# Altium PCB MB1849_LP.PcbDoc (part 2 of 2)
Units mm, origin at the board's own origin, x right, y up, seen from the top; angles counter-clockwise.
Board outline 61.52 x 35 mm, 4 copper layers (Top Layer, MidLayer 1, MidLayer 2, Bottom Layer), stack 1.066 mm thick; 67 components, 66 nets, 252 pads, 1012 vias.
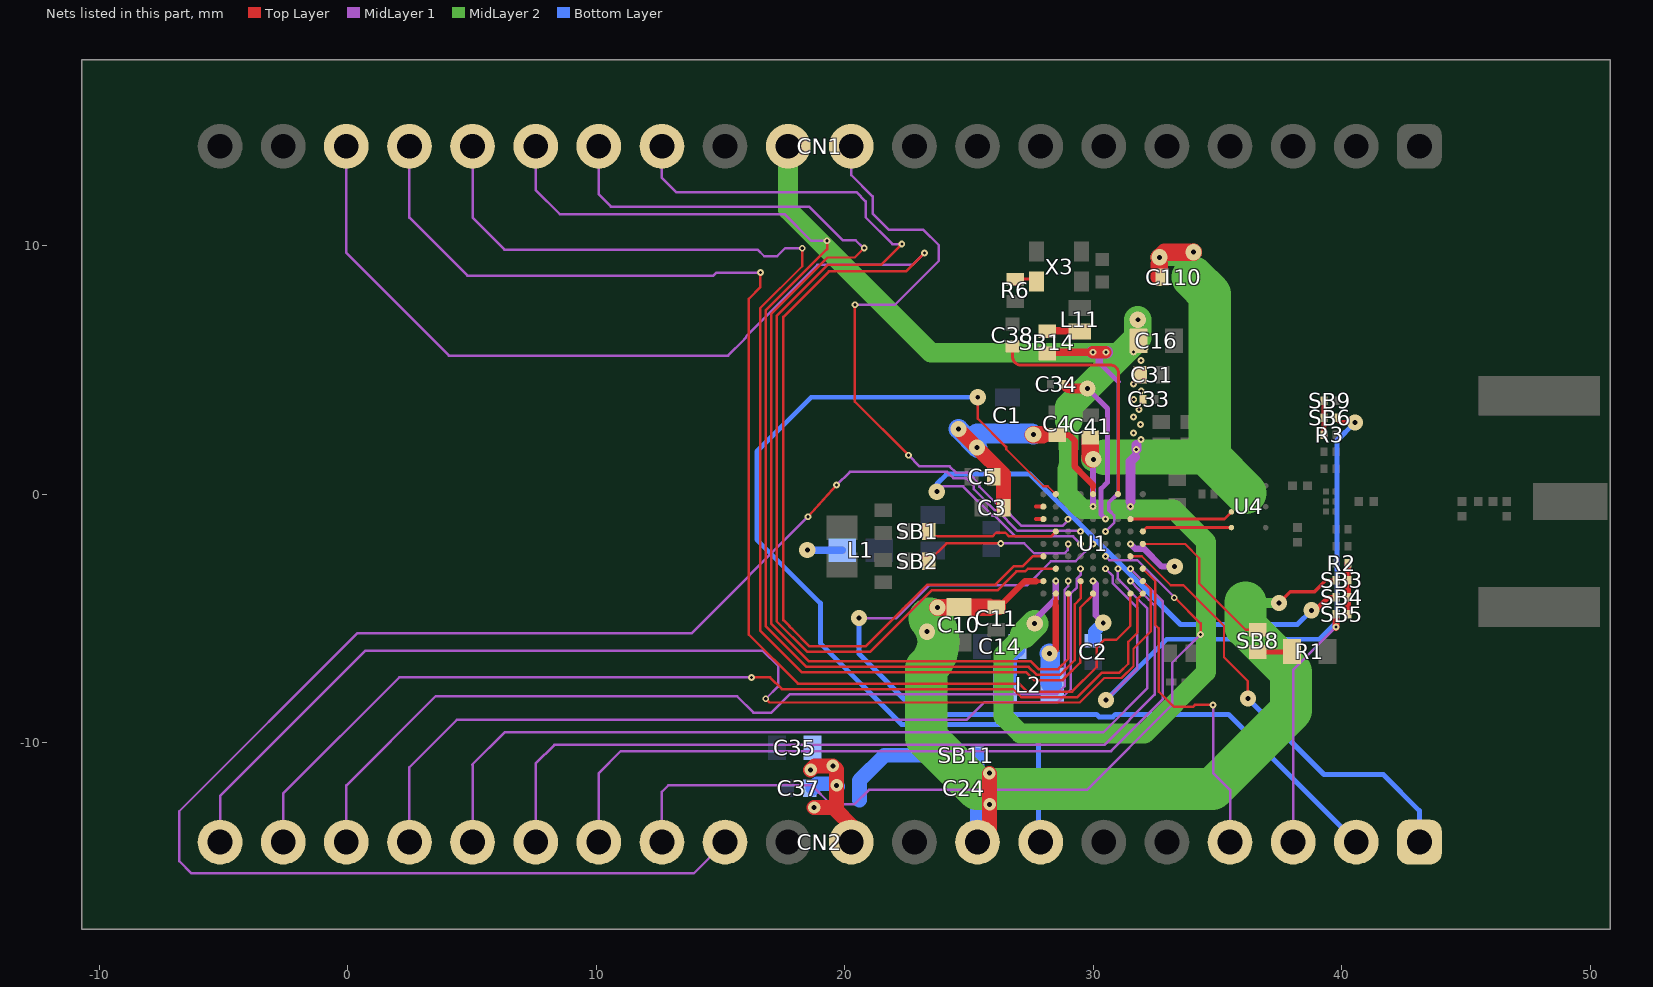
[diagram p4: the nets of this part, all layers, seen from the top]

## Via types
v1: diameter 0.5, hole 0.2, Top Layer to Bottom Layer, 426 vias
v2: diameter 0.65, hole 0.2, Top Layer to Bottom Layer, 349 vias
v3: diameter 0.275, hole 0.125, Top Layer to MidLayer 1, 237 vias

## Nets (pads, with @x,y where several pads share a name; then routed paths per layer and width w, separated by ;. In a path a pad name is that pad's centre, name@x,y a point inside that pad or via, vN(x,y) a via of type N, cw(c..) or ccw(c..) an arc to the next point about the centre after c; other vN are vias at no path point) (continued)
NetCN1_10: CN1.10 U1.C7 | length 25.8
  Top Layer w0.1: v3(20.418,7.624) 20.418,3.718 v3(22.567,1.569) ; U1.C7@28.987,-1.013 28.993,-1.013 v3(28.997,-1.009) U1.C7@29,-1.006
  MidLayer 1 w0.09: v3@28.997,-1.054 v3(28.997,-1.009)
  MidLayer 1 w0.1: CN1.10@20.27,14 20.27,12.84 21.129,11.981 21.129,11.294 21.773,10.65 23.158,10.65 23.788,10.02 23.788,9.384 22.028,7.624 v3(20.418,7.624) ; v3(22.567,1.569) 23.016,1.12 24.228,1.12 24.477,0.87 24.969,0.87 25.42,0.419 25.42,0.302 26.142,-0.42 26.27,-0.42 27.125,-1.275 28.383,-1.275 28.385,-1.278 28.615,-1.278 28.617,-1.275 28.776,-1.275 v3@28.997,-1.054
NetCN1_13: CN1.13 U1.B3 | length 44.1
  Top Layer w0.1: v3(22.303,10.066) 21.462,9.225 19.32,9.225 17.262,7.167 17.262,-5.112 18.5,-6.35 21.023,-6.35 23.505,-3.868 26.154,-3.868 26.912,-3.111 27.266,-3.111 27.377,-3 U1.B3@28.5,-3
  MidLayer 1 w0.1: CN1.13@12.65,14 12.65,12.73 13.223,12.157 20.474,12.157 20.846,11.785 20.846,11.144 21.924,10.066 v3(22.303,10.066)
NetCN1_14: CN1.14 U1.C1 | length 46.3
  Top Layer w0.1: v3@20.79,9.905 20.409,9.524 19.308,9.524 17.042,7.258 17.042,-5.203 18.568,-6.729 27.499,-6.729 27.809,-7.039 28.593,-7.039 29,-6.632 U1.C1@29,-4
  MidLayer 1 w0.1: CN1.14@10.11,14 10.11,12.059 10.595,11.574 18.571,11.574 19.931,10.214 20.45,10.214 20.756,9.908 v3(20.792,9.908)
NetCN1_15: CN1.15 U1.D2 | length 47.6
  Top Layer w0.1: v3@19.297,10.164 19.297,9.864 16.822,7.389 16.822,-5.303 18.468,-6.949 27.408,-6.949 27.718,-7.259 28.684,-7.259 29.264,-6.68 29.264,-4.431 29.5,-4.195 U1.D2@29.5,-3.5
  MidLayer 1 w0.1: CN1.15@7.57,14 7.57,12.236 8.538,11.268 17.584,11.268 18.655,10.197 v3(19.289,10.197)
NetCN1_16: CN1.16 U1.E1 | length 49.9
  Top Layer w0.1: v3(18.295,9.897) 18.295,9.173 16.602,7.48 16.602,-5.483 18.288,-7.169 27.317,-7.169 27.627,-7.479 28.775,-7.479 29.158,-7.096 29.162,-7.096 29.484,-6.775 29.484,-4.566 U1.E1@30,-4.05
  MidLayer 1 w0.1: CN1.16@5.03,14 5.03,11.13 6.315,9.845 16.5,9.845 16.769,9.576 17.286,9.576 17.608,9.897 v3(18.295,9.897)
NetCN1_17: CN1.17 U1.H1 | length 51.9
  Top Layer w0.1: v3@16.616,8.911 16.616,8.33 16.144,7.859 16.144,-5.648 18.123,-7.626 27.012,-7.626 27.334,-7.948 29.157,-7.948 30.14,-6.965 30.14,-6.165 30.444,-5.861 30.933,-5.861 31.5,-5.294 U1.H1@31.5,-4
  MidLayer 1 w0.1: CN1.17@2.49,14 2.49,12.012 2.49,11.129 4.822,8.797 14.725,8.797 14.842,8.914 v3(16.614,8.914)
NetCN1_18: CN1.18 U1.A4 | length 62.3
  Top Layer w0.1: v3(23.221,9.708) 22.475,8.962 19.368,8.962 17.541,7.134 17.541,-5.067 17.778,-5.305 ccw(c18.275,-4.925) 17.895,-5.422 18.596,-6.122 20.84,-6.122 22.35,-4.613 ccw(c22.103,-4.252) 22.464,-4.498 23.327,-3.635 26.076,-3.635 26.82,-2.891 27.175,-2.891 27.565,-2.5 U1.A4@28,-2.5
  MidLayer 1 w0.1: CN1.18@-0.05,14 -0.05,9.709 4.08,5.579 10.531,5.579 15.314,5.579 15.968,6.233 ccw(c15.658,6.542) 16.067,6.386 18.906,9.225 22.737,9.225 v3(23.221,9.708)
NetCN2_1: CN2.1 U1.H4 | length 18.3
  Top Layer w0.09: U1.H4@31.5,-2.5 31.963,-2.5 33.124,-3.661 33.636,-3.661 35.269,-5.294 35.269,-6.562 36.227,-7.52 v2(36.227,-8.22)
  Bottom Layer w0.2: v2(36.227,-8.22) 39.289,-11.282 41.677,-11.282 43.13,-12.735 CN2.1@43.13,-14
NetCN2_2: CN2.2 U1.E5 | length 35.6
  MidLayer 1 w0.1: v2(20.578,-4.985) 22.082,-4.985 23.4,-3.667 27.333,-3.667 28.3,-2.7 29.3,-2.7 v3(30,-2)
  Bottom Layer w0.2: v2(20.578,-4.985) 20.578,-6.423 23.017,-8.863 30.137,-8.863 30.235,-8.96 30.794,-8.96 30.892,-8.863 35.453,-8.863 CN2.2@40.798,-14.208
NetCN2_3: CN2.3 SB5.1 | length 9.7
  Top Layer w0.3: v3(39.774,-5.346) SB5.1@39.774,-4.974
  MidLayer 1 w0.1: CN2.3@38.05,-14 38.05,-7.07 v3(39.774,-5.346)
NetCN2_4: CN2.4 U1.J3 | length 13.5
  Top Layer w0.1: U1.J3@32,-3 32.5,-3.5 32.5,-3.738 ; 32.501,-3.739 32.501,-5.258 32.642,-5.399 32.642,-7.946 33.241,-8.545 34.034,-8.545 34.098,-8.482 v3(34.828,-8.482)
  MidLayer 1 w0.1: v3(34.828,-8.482) 34.828,-11.221 35.51,-11.903 CN2.4@35.51,-14
NetCN2_7: CN2.7 U1.B9 | length 38.4
  Top Layer w0.09: 26.501,1.901 26.506,1.901 26.506,1.807 27.671,0.642 27.993,0.32 28.18,0.32 U1.B9@28.5,0
  Top Layer w0.1: v2(25.359,3.901) 25.359,3.044 26.501,1.901
  Bottom Layer w0.2: v2(25.359,3.901) 23.241,3.901 18.652,3.901 16.468,1.716 16.468,-1.83 19.025,-4.387 19.025,-5.997 22.295,-9.267 27.068,-9.267 27.803,-10.002 27.803,-13.913 CN2.7@27.89,-14
NetCN2_12: CN2.12 U1.D6 | length 67.7
  Top Layer w0.1: v3(18.529,-0.906) v3(19.681,0.365)
  MidLayer 1 w0.1: CN2.12@15.19,-14 13.931,-15.259 -6.275,-15.259 -6.771,-14.763 -6.771,-12.758 0.383,-5.604 13.832,-5.604 v3(18.529,-0.906) ; v3(19.681,0.365) 20.216,0.9 24.127,0.9 24.377,0.65 24.878,0.65 25.2,0.328 25.2,0.197 26.037,-0.64 26.126,-0.64 26.961,-1.475 29.475,-1.475 v3(29.5,-1.5)
NetCN2_13: CN2.13 U1.F4 | length 33.3
  Top Layer w0.1: v3(33.265,-4.168) 33.294,-4.168 34.323,-5.197 v3(34.323,-5.64)
  MidLayer 1 w0.1: CN2.13@12.65,-14 12.65,-11.973 12.905,-11.718 18.684,-11.718 19.442,-12.476 20.397,-12.476 20.978,-11.896 29.753,-11.896 33.186,-8.463 33.186,-6.777 v3(34.323,-5.64) ; v3(30.5,-2.5) 30.65,-2.65 31.776,-2.65 33.265,-4.139 v3(33.265,-4.168)
NetCN2_14: CN2.14 U1.H3 | length 32.5
  MidLayer 1 w0.1: CN2.14@10.11,-14 10.11,-11.221 10.991,-10.339 30.724,-10.339 32.801,-8.262 32.801,-4.301 v3(31.5,-3)
NetCN2_15: CN2.15 U1.H2 | length 34.2
  MidLayer 1 w0.1: CN2.15@7.57,-14 7.57,-10.841 8.322,-10.09 30.456,-10.09 32.479,-8.067 32.479,-4.479 32.247,-4.247 31.853,-3.853 v3(31.5,-3.5)
NetCN2_16: CN2.16 U1.G3 | length 36.9
  MidLayer 1 w0.1: CN2.16@5.03,-14 5.03,-10.906 5.013,-10.889 6.317,-9.585 30.408,-9.585 32.186,-7.807 32.186,-4.598 31.835,-4.247 31,-3.412 v3(31,-3)
NetCN2_17: CN2.17 U1.D3 | length 35.9
  MidLayer 1 w0.1: CN2.17@2.49,-14 2.49,-10.988 4.393,-9.086 15.616,-9.086 24.905,-9.086 25.623,-8.368 28.582,-8.368 29.1,-7.85 29.1,-4 29.35,-3.75 29.35,-3.4 29.5,-3.25 v3(29.5,-3)
NetCN2_18: CN2.18 U1.C2 | length 37.7
  MidLayer 1 w0.1: CN2.18@-0.05,-14 -0.05,-11.72 3.54,-8.131 15.671,-8.131 16.33,-8.79 17.059,-8.79 17.791,-8.058 28.522,-8.058 28.85,-7.73 28.85,-3.85 29,-3.7 v3(29,-3.5)
NetCN2_19: CN2.19 U1.J1 | length 41.8
  Top Layer w0.1: v3(16.253,-7.373) 17.006,-7.373 17.48,-7.846 26.788,-7.846 27.11,-8.168 29.369,-8.168 30.356,-7.181 31.057,-7.181 31.416,-6.822 31.416,-5.942 31.784,-5.574 31.784,-4.216 U1.J1@32,-4
  MidLayer 1 w0.1: CN2.19@-2.59,-14 -2.59,-12.042 2.08,-7.373 v3(16.253,-7.373)
NetCN2_20: CN2.20 U1.J2 | length 47.8
  Top Layer w0.09: v3(16.828,-8.234) 16.977,-8.383 29.458,-8.383 30.367,-7.475 30.369,-7.475 30.447,-7.396 31.146,-7.396 31.631,-6.911 31.631,-6.212 32.316,-5.527 32.316,-3.816 U1.J2@32,-3.5
  MidLayer 1 w0.1: CN2.20@-5.13,-14 -5.13,-12.144 0.706,-6.308 16.723,-6.308 17.34,-6.925 17.34,-7.721 v3(16.828,-8.234) v3@16.818,-8.224
NetL2_2: L2.2 U1.B1 | length 3.9
  Top Layer w0.15: 28.5,-4.3 U1.B1@28.5,-4
  Top Layer w0.21: 28.5,-4.475 28.5,-4.3
  Top Layer w0.25: v2(28.25,-6.406) 28.375,-6.406 28.5,-6.281 28.5,-4.475
  Bottom Layer w0.8: v2(28.25,-6.406) 28.274,-6.43 28.274,-7.588 L2.2@28.354,-7.668
NetL11_2: L11.2 SB14.1 | length 1.9
  Top Layer w0.2: SB14.1@28.25,6.467 SB14.1@28.157,6.56 28.169,6.571 SB14.1@28.265,6.667 ; L11.2@29.238,6.319 L11.2@29.463,6.544
  Top Layer w0.3: SB14.1@28.157,6.571 28.169,6.571 L11.2@29.463,6.571
NetR1_2: R1.2 SB8.1 | length 1.4
  Top Layer w0.2: SB8.1@36.624,-6.351 37.999,-6.351 R1.2@38.012,-6.337
NetR2_2: R2.2 SB3.2 SB4.2 SB5.2 | length 2.1
  Top Layer w0.25: SB5.2@40.251,-4.834 SB4.2@40.251,-4.15 SB3.2@40.251,-3.465 R2.2@40.251,-2.781
NetR3_2: R3.2 SB6.2 SB9.2 | length 1.4
  Top Layer w0.2: R3.2@39.289,2.397 SB6.2@39.289,3.081 SB9.2@39.289,3.765
NetR6_1: R6.1 X3.3 | length 0.7
  Top Layer w0.12: R6.1@26.871,8.649 X3.3@27.599,8.649
  Top Layer w0.5: R6.1@26.866,8.654 R6.1@26.871,8.649
NetSB1_1: SB1.1 U1.B6 | length 5.2
  Top Layer w0.1: SB1.1@23.55,-1.669 23.577,-1.695 25.954,-1.695 26.104,-1.545 26.466,-1.545 26.616,-1.695 28.305,-1.695 U1.B6@28.5,-1.5
NetSB2_1: SB2.1 U1.C5 | length 6.4
  Top Layer w0.1: SB2.1@23.381,-2.7 24.1,-1.981 26.283,-1.981 v3(26.285,-1.983)
  MidLayer 1 w0.1: v3(26.285,-1.983) 27.229,-1.983 27.631,-2.385 28.847,-2.385 28.975,-2.256 28.975,-2.025 v3(29,-2)
NetSB4_1: SB4.1 U1.D5 | length 26.3
  Top Layer w0.2: v2@38.784,-4.682 38.942,-4.682 39.474,-4.15 SB4.1@39.771,-4.15
  MidLayer 1 w0.1: v2(23.711,0.1) 23.927,0.317 24.77,0.317 25.946,-0.86 26.035,-0.86 26.87,-1.695 27.044,-1.695 27.048,-1.699 29.199,-1.699 v3(29.5,-2)
  Bottom Layer w0.2: v2(23.711,0.1) 23.711,0.412 24.108,0.809 27.462,0.809 33.516,-5.245 38.221,-5.245 v2(38.793,-4.673)
NetSB6_1: SB6.1 U1.F3 | length 26.1
  Top Layer w0.2: SB6.1@39.769,3.081 39.969,2.881 v2(40.536,2.881)
  MidLayer 1 w0.1: v3(30.5,-3) 30.797,-3.297 30.797,-3.59 31.784,-4.576 31.784,-7.016 v2(30.515,-8.285)
  Bottom Layer w0.2: v2(30.515,-8.285) 32.963,-5.837 39.103,-5.837 39.814,-5.127 39.814,2.159 v2(40.536,2.881)
NetSB8_2: SB8.2 U1.J5 | length 6.8
  Top Layer w0.09: U1.J5@32,-2 32.3,-2 33.699,-2 34.273,-2.574 34.273,-3.594 36.129,-5.451 SB8.2@36.624,-5.451 SB8.2@36.624,-5.35
OSC_IN: C38.2 U1.G9 | length 9.9
  Top Layer w0.12: C38.2@26.751,5.949 26.751,5.562 ccw(c27.129,5.562) 27.021,5.199 30.694,5.199 cw(c30.694,4.867) 31.026,4.867 31.026,0.026 U1.G9@31,0
PB0_VDD_TCXO: SB14.2 U1.F6 | length 10.7
  Top Layer w0.3: SB14.2@28.306,5.711 v3(29.991,5.711)
  Top Layer w0.4: SB14.2@28.121,5.659 28.14,5.677 SB14.2@28.157,5.66
  Top Layer w0.5: v3@29.991,5.704 v3@30.495,5.704
  MidLayer 1 w0.1: v3(30.5,-1.5) 30.844,-1.156 30.844,-0.85 30.722,-0.728
  MidLayer 1 w0.15: 30.722,-0.728 30.632,-0.638 30.632,-0.34 31.017,0.046 31.017,4.525
  MidLayer 1 w0.2: 30.253,5.289 31.017,4.525
  MidLayer 1 w0.3: 30.253,5.289 30.253,5.705
  MidLayer 1 w0.5: v3@29.965,5.705 30.253,5.705 v3@30.541,5.705
  other v3: 30.522,5.711
RFI_N: U1.H7 U4.3 | length 4.2
  Top Layer w0.105: U1.H7@31.5,-1 35.279,-1 U4.3@35.567,-0.712
RFI_P: U1.J6 U4.2 | length 3.6
  Top Layer w0.105: U1.J6@32,-1.5 32.158,-1.342 32.622,-1.342 U4.2@35.565,-1.342
VDD: C1.2 C2.2 C3.2 C4.2 C5.2 C35.1 C37.1 CN2.10 L1.1 SB11.2 U1.A7 U1.A8 U1.E2 U1.E9 U1.H5 | length 29.9
  Top Layer w0.15: 27.7,-1 U1.A7@28,-1 ; 27.7,-0.5 U1.A8@28,-0.5 ; U1.E9@30,0 30,0.3
  Top Layer w0.25: C4.2@28.559,2.384 29.016,2.384 29.258,2.142 29.258,1.115 29.46,0.913 29.46,0.899 30,0.359 30,0.3
  Top Layer w0.5: v2(27.593,2.397) v2@27.6,2.391
  Top Layer w0.55: 27.982,2.391 C4.2@28.553,2.391
  Top Layer w0.6: v1(18.635,-11.095) 18.799,-10.93 v1(19.527,-10.93) 19.677,-11.08 v1(19.677,-11.718) 19.677,-12.73 ; v1(18.772,-12.608) 19.554,-12.608 19.677,-12.73 ; CN2.10@20.6,-14 CN2.10@20.27,-14 20.27,-13.323 19.677,-12.73 ; v2(24.579,2.628) 24.579,2.623 v2(25.328,1.874) 26.4,0.802 C3.2@26.4,-0.55
  Top Layer w0.7: v2@27.595,2.389 27.982,2.389
  MidLayer 1 w0.25: v3(30,-3.5) 30.109,-3.609 30.109,-4.875 v2(30.409,-5.175) ; v3(31.5,-2) 31.695,-2.195 32.048,-2.195 32.769,-2.916 v2(33.285,-2.916)
  Bottom Layer w0.25: C2.2@30,-5.9 C2.2@30.054,-5.846
  Bottom Layer w0.3: v2(18.5,-2.25) L1.1@19.9,-2.25
  Bottom Layer w0.5: C2.2@30.054,-5.846 30.054,-5.529 v2(30.409,-5.175)
  Bottom Layer w0.6: C37.1@18.726,-11.83 18.905,-11.651 19.609,-11.651 v1(19.677,-11.718) v1@19.713,-11.755 ; 20.6,-12.309 20.6,-11.516 21.611,-10.505 SB11.2@24.17,-10.505
  Bottom Layer w0.8: v2(24.579,2.628) v2@25.357,1.851 ; 25.328,2.446 27.545,2.446 v2(27.593,2.397)
VDDPA: C14.1 C16.1 C31.1 C33.2 C34.2 CN1.11 L2.1 U1.B2 U1.F7 U1.H8 | length 65.9
  Top Layer w0.25: v2@27.573,-5.287 v2(27.65,-5.21)
  Top Layer w0.4: C34.2@28.838,4.388 28.881,4.345 ccw(c29.089,4.553) 29.089,4.259 v2(29.769,4.259) v2@29.769,4.191
  MidLayer 1 w0.2: v2(29.769,4.259) 30.58,3.447 30.58,0.475 30.328,0.222 30.328,-0.828 v3(30.5,-1)
  MidLayer 1 w0.25: v2(27.65,-5.21) 27.65,-5.059 28.5,-4.209 v3(28.5,-3.5)
  MidLayer 1 w0.3: v3(31.5,-0.5) v3@31.5,-0.455
  MidLayer 1 w0.4: 31.5,-0.289 31.5,0.876 31.5,1.319 31.681,1.5 ; v3(31.738,1.801) 31.738,1.976
  MidLayer 2 w0.75: 28.977,1.02 28.977,1.152 29.007,1.182 29.007,1.866
  MidLayer 2 w0.8: CN1.11@17.73,14 17.73,11.438 23.477,5.69 31.2,5.69 ; 27.206,-5.653 26.396,-6.463 26.396,-8.945 27.076,-9.625 32.075,-9.625 34.543,-7.157 34.543,-1.918 33.23,-0.605 29.568,-0.605 28.977,-0.015 28.977,1.02 ; 29.007,1.866 29.007,2.937 29.026,2.956
  MidLayer 2 w1.1: 27.206,-5.653 v2(27.65,-5.21) ; 29.026,2.956 29.026,3.516 v2(29.769,4.259) 31.2,5.69 31.798,6.288 v2(31.798,7.019)
  Bottom Layer w0.25: v2(27.65,-5.21) v2@27.656,-5.216
  Bottom Layer w0.6: L2.1@26.449,-7.668 26.629,-7.488 26.629,-6.584 26.95,-6.262 C14.1@26.95,-6.125 26.95,-5.987 27.64,-5.297 27.64,-5.22 v2(27.65,-5.21)
  other v3: 31.932,2.206 31.63,2.463 31.905,2.805 31.625,3.107 31.846,3.404 31.634,3.814 31.936,4.148 31.625,4.427 31.927,5.382 31.63,5.72 32.086,5.874
VDDRF: C10.1 C11.1 C24.1 C41.1 C110.1 CN2.8 SB3.1 SB11.1 U1.A2 U1.E8 | length 63
  Top Layer w0.15: 27.7,-3.5 U1.A2@28,-3.5 ; v2(37.488,-4.373) 37.938,-3.923 38.905,-3.923 39.363,-3.465 SB3.1@39.771,-3.465
  Top Layer w0.25: C11.1@26.204,-4.552 27.256,-3.5 27.7,-3.5
  Top Layer w0.6: CN2.8@25.35,-14 25.837,-14 v1(25.837,-12.483) v1@25.837,-11.237 ; C11.1@25.816,-4.547 26.2,-4.547 C11.1@26.204,-4.552
  Top Layer w0.7: v2(23.744,-4.559) 24.687,-4.559 24.704,-4.542 25.811,-4.542 C11.1@25.816,-4.547 ; C41.1@29.885,2.15 29.885,1.478 v2@29.958,1.405 ; C110.1@32.659,8.726 v2@32.659,9.245 ; v2(32.67,9.531) 32.875,9.737 v2(34.041,9.737)
  MidLayer 1 w0.25: v2@29.958,1.405 30,1.363 v3(30,-0.5)
  MidLayer 2 w0.4: 36.138,-4.359 36.152,-4.373 v2(37.488,-4.373)
  MidLayer 2 w0.7: v2(32.67,9.531) 33.462,9.531 ; v2@33.835,9.531 v2(34.041,9.737)
  MidLayer 2 w1: v2@30.022,1.405 v2@30.022,1.418
  MidLayer 2 w1.4: 30.456,1.479 30.471,1.494 34.695,1.494
  MidLayer 2 w1.7: 23.432,-5.007 cw(c22.349,-5.934) 23.288,-7.006 23.288,-9.804 25.35,-11.866 25.827,-11.866 ; 25.837,-11.866 34.796,-11.866 37.965,-8.697 37.965,-7.16 36.138,-5.333 36.138,-4.359 ; 34.014,8.726 34.695,8.045 34.695,1.494 36.138,0.051
  Bottom Layer w0.6: C24.1@25.339,-11.8 SB11.1@25.339,-10.504 ; CN2.8@25.35,-14 C24.1@25.35,-11.849
  Bottom Layer w0.7: v2(23.312,-5.533) v2(23.744,-4.559)
  other v1: 25.827,-11.227
  other v2: 30.008,1.405
pads on no net: U1.B4 U1.C4 U1.C6 U1.D4 U1.D7 U1.E4 U1.F2 U1.F8 U1.G2 U1.G4 U1.J9
copper on no net: | length 2639.6
  Top Layer w0.025: 152.548,-17.471 155.08,-14.939 158.128,-11.891 161.176,-8.843 164.224,-5.795 167.272,-2.747 170.32,0.301 173.368,3.349 176.416,6.397 179.464,9.445 180.988,10.969 ; 152.548,-15.947 153.556,-14.939 156.604,-11.891 159.652,-8.843 162.7,-5.795 165.748,-2.747 168.796,0.301 171.844,3.349 174.892,6.397 177.94,9.445 180.988,12.493 ; 152.548,-14.423 155.08,-11.891 158.128,-8.843 161.176,-5.795 164.224,-2.747 167.272,0.301 170.32,3.349 173.368,6.397 176.416,9.445 179.464,12.493 180.988,14.017 ; 152.548,-12.899 153.556,-11.891 156.604,-8.843 159.652,-5.795 162.7,-2.747 165.748,0.301 168.796,3.349 171.844,6.397 174.892,9.445 177.94,12.493 180.988,15.541 ; 152.548,-11.375 155.08,-8.843 158.128,-5.795 161.176,-2.747 164.224,0.301 167.272,3.349 170.32,6.397 173.368,9.445 176.416,12.493 179.464,15.541 ; 152.548,-9.851 153.556,-8.843 156.604,-5.795 159.652,-2.747 162.7,0.301 165.748,3.349 168.796,6.397 171.844,9.445 174.892,12.493 177.94,15.541 ; 152.548,-8.327 155.08,-5.795 158.128,-2.747 161.176,0.301 164.224,3.349 167.272,6.397 170.32,9.445 173.368,12.493 176.416,15.541 ; 152.548,-6.803 153.556,-5.795 156.604,-2.747 159.652,0.301 162.7,3.349 165.748,6.397 168.796,9.445 171.844,12.493 174.892,15.541 ; 152.548,-5.279 155.08,-2.747 158.128,0.301 161.176,3.349 164.224,6.397 167.272,9.445 170.32,12.493 173.368,15.541 ; 152.548,-3.755 153.556,-2.747 156.604,0.301 159.652,3.349 162.7,6.397 165.748,9.445 168.796,12.493 171.844,15.541 ; 152.548,-2.231 155.08,0.301 158.128,3.349 161.176,6.397 164.224,9.445 167.272,12.493 170.32,15.541 ; 152.548,-0.707 153.556,0.301 156.604,3.349 159.652,6.397 162.7,9.445 165.748,12.493 168.796,15.541 ; 152.548,0.817 155.08,3.349 158.128,6.397 161.176,9.445 164.224,12.493 167.272,15.541 ; 152.548,2.341 153.556,3.349 156.604,6.397 159.652,9.445 162.7,12.493 165.748,15.541 ; 152.548,3.865 155.08,6.397 158.128,9.445 161.176,12.493 164.224,15.541 ; 152.548,5.389 153.556,6.397 156.604,9.445 159.652,12.493 162.7,15.541 ; 152.548,6.913 155.08,9.445 158.128,12.493 161.176,15.541 ; 152.548,8.437 153.556,9.445 156.604,12.493 159.652,15.541 ; 152.548,9.961 155.08,12.493 158.128,15.541 ; 152.548,11.485 153.556,12.493 156.604,15.541 ; 152.548,13.009 155.08,15.541 ; 152.548,14.533 153.556,15.541 ; 153.556,-17.987 156.604,-14.939 159.652,-11.891 162.7,-8.843 165.748,-5.795 168.796,-2.747 171.844,0.301 174.892,3.349 177.94,6.397 180.988,9.445 ; 155.08,-17.987 158.128,-14.939 161.176,-11.891 164.224,-8.843 167.272,-5.795 170.32,-2.747 173.368,0.301 176.416,3.349 179.464,6.397 180.988,7.921 ; 156.604,-17.987 159.652,-14.939 162.7,-11.891 165.748,-8.843 168.796,-5.795 171.844,-2.747 174.892,0.301 177.94,3.349 180.988,6.397 ; 158.128,-17.987 161.176,-14.939 164.224,-11.891 167.272,-8.843 170.32,-5.795 173.368,-2.747 176.416,0.301 179.464,3.349 180.988,4.873 ; 159.652,-17.987 162.7,-14.939 165.748,-11.891 168.796,-8.843 171.844,-5.795 174.892,-2.747 177.94,0.301 180.988,3.349 ; 161.176,-17.987 164.224,-14.939 167.272,-11.891 170.32,-8.843 173.368,-5.795 176.416,-2.747 179.464,0.301 180.988,1.825 ; 162.7,-17.987 165.748,-14.939 168.796,-11.891 171.844,-8.843 174.892,-5.795 177.94,-2.747 180.988,0.301 ; 164.224,-17.987 167.272,-14.939 170.32,-11.891 173.368,-8.843 176.416,-5.795 179.464,-2.747 180.988,-1.223 ; 165.748,-17.987 168.796,-14.939 171.844,-11.891 174.892,-8.843 177.94,-5.795 180.988,-2.747 ; 167.272,-17.987 170.32,-14.939 173.368,-11.891 176.416,-8.843 179.464,-5.795 180.988,-4.271 ; 168.796,-17.987 171.844,-14.939 174.892,-11.891 177.94,-8.843 180.988,-5.795 ; 170.32,-17.987 173.368,-14.939 176.416,-11.891 179.464,-8.843 180.988,-7.319 ; 171.844,-17.987 174.892,-14.939 177.94,-11.891 180.988,-8.843 ; 173.368,-17.987 176.416,-14.939 179.464,-11.891 180.988,-10.367 ; 174.892,-17.987 177.94,-14.939 180.988,-11.891 ; 176.416,-17.987 179.464,-14.939 180.988,-13.415 ; 177.94,-17.987 180.988,-14.939 ; 179.464,-17.987 180.988,-16.463
  Top Layer w0.381: 65.703,-14.939 76.114,-14.939 99.73,-14.939 121.568,-14.939 138.074,-14.939 152.548,-14.939 180.988,-14.939 ; 65.703,-11.891 76.114,-11.891 99.73,-11.891 121.568,-11.891 138.074,-11.891 152.548,-11.891 180.988,-11.891 ; 65.703,-8.843 76.114,-8.843 99.73,-8.843 121.568,-8.843 138.074,-8.843 152.548,-8.843 180.988,-8.843 ; 65.703,-5.795 76.114,-5.795 99.73,-5.795 121.568,-5.795 138.074,-5.795 152.548,-5.795 180.988,-5.795 ; 65.703,-2.747 76.114,-2.747 99.73,-2.747 121.568,-2.747 138.074,-2.747 152.548,-2.747 180.988,-2.747 ; 65.703,0.301 76.114,0.301 99.73,0.301 121.568,0.301 138.074,0.301 152.548,0.301 180.988,0.301 ; 65.703,3.349 76.114,3.349 99.73,3.349 121.568,3.349 138.074,3.349 152.548,3.349 180.988,3.349 ; 65.703,6.397 76.114,6.397 99.73,6.397 121.568,6.397 138.074,6.397 152.548,6.397 180.988,6.397 ; 65.703,9.445 76.114,9.445 99.73,9.445 121.568,9.445 138.074,9.445 152.548,9.445 180.988,9.445 ; 65.703,12.493 76.114,12.493 99.73,12.493 121.568,12.493 138.074,12.493 152.548,12.493 180.988,12.493 ; 65.703,15.541 180.988,15.541 ; 76.114,18.589 76.114,-17.987 ; 99.73,18.589 99.73,-17.987 ; 121.568,18.589 121.568,-17.987 ; 138.074,18.589 138.074,-17.987 ; 152.548,18.589 152.548,-17.987 ; 76.114,-17.987 65.703,-17.987 65.703,18.589 180.988,18.589 180.988,-17.987 152.548,-17.987 ; 76.114,-17.987 99.73,-17.987 ; 99.73,-17.987 121.568,-17.987 ; 121.568,-17.987 138.074,-17.987 ; 138.074,-17.987 152.548,-17.987

## Polygon pours and split planes (outlines as drawn)
GND on MidLayer 2 "MIDLAYER_2_GND_P046" (solid, remove dead copper, pour order 46): 50.818,17.432 50.818,-17.511 -10.704,-17.511 -10.704,17.502
VDDRF on MidLayer 2 "VDDRF_L-01_P-001" (solid, pour order 44): 35.298,-4.233 35.298,0.115 36.278,1.095 37.018,0.355 37.018,-4.2
VDD on MidLayer 2 "VDD_L-01_P-001" (solid, pour order 45): 19.558,-15.27 21.095,-15.27 ccw(c21.095,-14.698) 21.667,-14.698 21.667,-4.598 cw(c23.116,-4.598) 23.116,-3.149 25.832,-3.149 cw(c25.833,-5.588) 27.587,-3.894 28.77,-5.118 ccw(c31.082,-2.883) 29.326,-5.577 ccw(c30.487,-3.795) 31.884,-5.399 33.525,-3.969 ccw(c32.238,-2.49) 33.733,-3.758 ccw(c32.976,-3.116) 32.976,-2.123 29.14,-2.123 cw(c29.14,-1.164) 28.18,-1.164 28.18,2.602 ccw(c27.344,2.602) 27.344,3.438 19.624,3.438 ccw(c19.624,0.898) 17.084,0.898 17.084,-11.025 ccw(c18.349,-11.025) 17.622,-12.06 cw(c15.76,-14.712) 19,-14.712 ccw(c19.558,-14.712)
GND on Bottom Layer "BOTTOM_LAYER_GND_P049" (solid, remove dead copper, pour order 49): -10.704,-17.423 -10.704,17.489 50.818,17.489 50.818,-17.494
VDDRF on Bottom Layer "VDDRF_L-01_P-001" (solid, pour order 47): 25.051,-12.874 25.051,-10.83 26.809,-10.83 26.809,-14.663 cw(c25.533,-13.9) 25.465,-15.385 cw(c25.518,-14.227) 24.359,-14.227 24.359,-13.969 cw(c25.329,-13.969) 24.643,-13.282
VDD on Bottom Layer "VDD_L-01_P-001" (solid, pour order 48): 18.351,-9.907 19.293,-9.907 21.667,-12.281 21.667,-13.385 21.667,-13.632 cw(c20.12,-13.632) 21.623,-13.997 cw(c20.27,-13.669) 18.919,-14.003 cw(c20.473,-13.619) 18.872,-13.619 18.872,-13.103 18.35,-12.58
GND on MidLayer 1 "MIDLAYER_1_GND_P054" (solid, remove dead copper, pour order 54): -10.721,17.647 50.828,17.647 50.88,17.699 50.818,17.637 50.818,-17.511 -10.757,-17.511 -10.773,-17.494 -10.721,-17.442 -10.721,17.647
GND on Top Layer "TOP_LAYER_GND_P056" (solid, remove dead copper, pour order 56): -10.651,17.561 50.872,17.561 50.872,-17.39 50.859,-17.403 50.822,-17.439 -10.651,-17.439 -10.651,17.561

## Other copper
Top Layer:
  rectangle net GND: 27.337,9.351 29.759,10.171
  region net VDDPA: 31.394,1.329 cw(c31.386,1.338) 31.378,1.346 31.378,7.277 31.538,7.437 31.99,7.437 32.212,7.216 32.212,2.051 cw(c31.463,2.174) 31.929,1.575 cw(c31.347,2.136)
  region net VDD: 26.182,-0.202 27.203,-0.202 cw(c27.203,-0.905) 27.637,-0.352 cw(c27.535,-0.483) 27.7,-0.483 27.7,-1.049 cw(c27.646,-1.049) 27.646,-1.103 27.263,-1.103 cw(c27.263,-0.973) 27.172,-1.065 27.047,-0.94 ccw(c26.951,-1.035) 26.951,-0.9 26.182,-0.9
  region net GND: 28.232,3.005 27.777,3.005 27.711,3.071 27.711,3.606 27.967,3.862 28.744,3.862 cw(c28.744,3.701) 28.905,3.701 28.905,3.007
  region net NetC27_2: 37.602,-1.162 37.241,-1.162 37.094,-1.192 36.953,-1.251 36.953,-1.42 37.094,-1.482 37.241,-1.512 37.602,-1.512
  region net NetC17_2: 37.637,0.516 37.276,0.516 37.129,0.486 36.988,0.427 36.988,0.258 37.129,0.196 37.276,0.166 37.637,0.166
  region net NetC25_1: 40.673,-0.116 40.52,-0.116 39.769,-0.291 40.52,-0.466 40.673,-0.466
  pour cut-out: 34.389,-0.099 32.199,-0.099 32.199,-0.318 34.388,-0.318
  pour cut-out: 33.864,-0.154 33.864,-1.905 35.875,-1.905 35.875,-0.154
  region net NetC200_2: 33.907,-0.499 33.783,-0.499 33.886,-0.376 33.907,-0.376
  region net NetC27_2: 39.242,-0.566 39.12,-0.691 38.962,-0.996 39.35,-0.957 39.494,-0.816 39.494,-0.796 39.306,-0.566
  pour cut-out: 47.55,2.523 50.818,2.523 50.818,-3.062 47.55,-3.062
  region net NetC28_1: 47.986,0.458 47.589,0.458 46.805,-0.284 47.603,-1.042 47.986,-1.042
  pour cut-out: 19.72,-0.941 21.884,-0.941 21.884,-3.265 19.72,-3.265
  region net GND: 29.443,10.171 31.035,10.171 31.771,9.866 32.004,9.633 32.004,9.293 31.785,9.074 31.209,9.074 31.082,9.202 29.919,9.202 29.45,9.671
  region net GND: 32.528,2.889 32.528,5.304 32.947,5.304 32.947,5.835 35.375,5.835 35.375,3.572 34.206,3.487 34.206,2.889 32.989,2.889
  pour cut-out: 46.889,-0.019 47.564,2.55 47.564,-0.019
  pour cut-out: 46.909,-0.562 47.551,-3.033 47.551,-0.562
  text "Layer" at 67.481,16.303 h1.52
  text "Name" at 77.892,16.303 h1.52
  text "Material" at 101.508,16.303 h1.52
  text "Thickness" at 123.346,16.303 h1.52
  text "Constant" at 139.852,16.303 h1.52
  text "Board Layer Stack" at 154.326,16.303 h1.52
  text "Top Overlay" at 77.892,13.255 h1.52
  text "Top Solder" at 77.892,10.207 h1.52
  text "Solder Resist" at 101.508,10.207 h1.52
  text "0.08mil" at 123.346,10.207 h1.52
  text "3.7" at 139.852,10.207 h1.52
  text "1" at 67.481,7.159 h1.52
  text "Top Layer" at 77.892,7.159 h1.52
  text "1.38mil" at 123.346,7.159 h1.52
  text "Dielectric 1" at 77.892,4.111 h1.52
  text "1 x 2116" at 101.508,4.111 h1.52
  text "4.25mil" at 123.346,4.111 h1.52
  text "3.8" at 139.852,4.111 h1.52
  text "2" at 67.481,1.063 h1.52
  text "MidLayer 1" at 77.892,1.063 h1.52
  text "1.38mil" at 123.346,1.063 h1.52
  text "Dielectric 2" at 77.892,-1.985 h1.52
  text "FR4" at 101.508,-1.985 h1.52
  text "27.95mil" at 123.346,-1.985 h1.52
  text "5" at 139.852,-1.985 h1.52
  text "3" at 67.481,-5.033 h1.52
  text "MidLayer 2" at 77.892,-5.033 h1.52
  text "1.38mil" at 123.346,-5.033 h1.52
  text "Dielectric 3" at 77.892,-8.081 h1.52
  text "1 x 2116" at 101.508,-8.081 h1.52
  text "4.25mil" at 123.346,-8.081 h1.52
  text "3.8" at 139.852,-8.081 h1.52
  text "4" at 67.481,-11.129 h1.52
  text "Bottom Layer" at 77.892,-11.129 h1.52
  text "1.38mil" at 123.346,-11.129 h1.52
  text "Bottom Solder" at 77.892,-14.177 h1.52
  text "Solder Resist" at 101.508,-14.177 h1.52
  text "0.08mil" at 123.346,-14.177 h1.52
  text "3.7" at 139.852,-14.177 h1.52
  text "Bottom Overlay" at 77.892,-17.225 h1.52
  text ".Layer_Name" at -1.249,-37.55 h3
  text ".GTL" at 40.446,-37.55 h3
MidLayer 1:
  region net VDDPA: 31.962,7.35 32.265,7.048 32.265,3.011 cw(c25.637,3.334) 31.297,-0.13 31.297,6.973 31.614,7.35
  region net NetCN1_9: 18.534,-4.76 18.754,-5.34 18.686,-5.409 ccw(c17.021,-8.245) 18.137,-5.151
  region net VDDPA: 27.489,-4.929 27.993,-4.566 28.077,-4.614 ccw(c31.247,-5.488) 27.97,-5.211
  pour cut-out: 46.692,-1.339 47.492,-3.643 47.519,-1.311 47.492,-1.339
  pour cut-out: 46.727,0.716 47.527,3.007 47.554,0.744 47.527,0.716
  pour cut-out: 37.241,-2.328 37.241,-0.353 39.258,-0.353 39.258,-2.327
  pour cut-out: 37.203,-0.648 37.203,1.327 39.253,1.327 39.253,-0.647
  pour cut-out: 40.437,-1.261 40.437,0.714 47.643,0.714 47.643,-1.26
  pour cut-out: 47.532,3.028 50.822,3.028 50.822,-3.643 47.532,-3.643
  text ".Layer_Name" at -1.249,-37.55 h3
  text ".G1" at 40.446,-37.55 h3
MidLayer 2:
  region net VDDRF: 34.743,7.163 33.944,7.163 32.412,8.98 cw(c32.881,9.376) 32.267,9.376 32.267,9.754 cw(c32.672,9.754) 32.672,10.158 34.325,10.158 cw(c34.325,9.74) 34.743,9.74 34.743,7.782
  region net VDDRF: 25.35,-14 27.54,-12.548 25.44,-11.336
  text ".Layer_Name" at -1.249,-37.55 h3
  text ".G2" at 40.446,-37.55 h3
Bottom Layer:
  region net NetCN2_7: 25.341,4.223 25.383,3.583 25.321,3.582 cw(c25.318,4.135) 24.927,3.744 24.767,3.904 24.935,4.071 cw(c25.301,3.704) 25.301,4.223
  region net VDD: 21.855,-10.349 20.146,-11.784 19.556,-11.081
  region net VDD: 21.855,-10.349 20.146,-11.784 20.735,-12.486
  text ".GBL" at 29.243,-37.582 h3
  text ".Layer_Name" at 70.557,-37.582 h3

## Silkscreen, mask and mechanical layers (free items; w line width, h text height)
Top Overlay:
  region: -3.178,6.089 -3.178,-6.887 6.471,-6.887 6.471,6.089
  text "MB1849-LP" at -5.606,5.792 h2.5 r270
  text "Notes:" at 7.126,5.791 h1.2 r270
  text ".Layer_Name" at -1.249,-37.55 h3
  text ".GTO" at 40.446,-37.55 h3
Bottom Overlay:
  text "MB1849-LP" at -4.576,-4.42 h2.5 r270
  text ".GBO" at 29.243,-37.582 h3
  text ".Layer_Name" at 70.557,-37.582 h3
Top Paste:
  text ".Layer_Name" at -1.249,-37.55 h3
  text ".GTP" at 40.446,-37.55 h3
Bottom Paste:
  text ".GBP" at 29.243,-37.582 h3
  text ".Layer_Name" at 70.557,-37.582 h3
Top Solder:
  lines w1.5: 43.203,1.185 43.203,9.519 ; 43.225,-7.823 43.225,-1.707 ; 43.228,-7.775 cw(c41.378,-7.775) 41.378,-9.625 10.853,-9.625 cw(c10.853,-7.775) 9.003,-7.775 9.003,9.725 cw(c10.853,9.725) 10.853,11.575 41.378,11.575 cw(c41.378,9.725) 43.228,9.725
  text ".Layer_Name" at -1.249,-37.55 h3
  text ".GTS" at 40.446,-37.55 h3
Bottom Solder:
  text ".GBS" at 29.243,-37.582 h3
  text ".Layer_Name" at 70.557,-37.582 h3
M1-Board Shape:
  the board outline again, w0.3
M2-Board Dimensions:
  text ".Layer_Name" at -1.249,-37.55 h3
  text ".GM2" at 40.446,-37.55 h3
Top Assembly:
  rectangle: 27.6,-4.427 27.998,-4.05
  rectangle: 35.788,0.398 35.961,0.605
  text ".Layer_Name" at -1.249,-37.55 h3
  text ".GM14" at 40.446,-37.55 h3
Bottom Assembly:
  text ".GM15" at 29.243,-37.582 h3
  text ".Layer_Name" at 70.557,-37.582 h3
Drill Drawing:
  lines w0.2: -9.831,60.915 19.919,60.915 ; -10.831,28.915 133.919,28.915 133.919,64.415 127.669,64.415 -10.831,64.415 -10.831,35.165 -10.831,28.915 ; -10.081,30.165 -7.581,30.165 -7.581,32.665 -10.081,32.665 -10.081,30.165 ; -10.081,39.165 -10.081,41.665 -7.581,41.665 -7.581,39.165 -10.081,39.165 ; 28.419,39.165 30.919,39.165 30.919,41.665 28.419,41.665 28.419,39.165 ; 28.419,42.165 30.919,42.165 30.919,44.665 28.419,44.665 28.419,42.165 ; 28.419,45.165 30.919,45.165 30.919,47.665 28.419,47.665 28.419,45.165 ; 28.419,48.165 30.919,48.165 30.919,50.665 28.419,50.665 28.419,48.165 ; 28.419,51.165 30.919,51.165 30.919,53.665 28.419,53.665 28.419,51.165 ; 44.919,39.165 44.919,41.665 47.419,41.665 47.419,39.165 44.919,39.165 ; 44.919,42.165 44.919,44.665 47.419,44.665 47.419,42.165 44.919,42.165 ; 44.919,45.165 44.919,47.665 47.419,47.665 47.419,45.165 44.919,45.165 ; 44.919,48.165 44.919,50.665 47.419,50.665 47.419,48.165 44.919,48.165 ; 44.919,51.165 44.919,53.665 47.419,53.665 47.419,51.165 44.919,51.165 ; 44.919,57.165 47.419,57.165 47.419,59.665 44.919,59.665 44.919,57.165 ; 53.919,33.165 53.919,35.665 56.419,35.665 56.419,33.165 53.919,33.165 ; 63.169,48.165 65.669,48.165 65.669,50.665 63.169,50.665 63.169,48.165 ; 63.169,51.165 65.669,51.165 65.669,53.665 63.169,53.665 63.169,51.165 ; 63.169,57.165 63.169,59.665 65.669,59.665 65.669,57.165 63.169,57.165 ; 79.169,33.165 81.669,33.165 81.669,35.665 79.169,35.665 79.169,33.165 ; 79.169,42.165 81.669,42.165 81.669,44.665 79.169,44.665 79.169,42.165 ; 79.169,45.165 81.669,45.165 81.669,47.665 79.169,47.665 79.169,45.165 ; 79.169,51.165 81.669,51.165 81.669,53.665 79.169,53.665 79.169,51.165 ; 79.169,57.165 79.169,59.665 81.669,59.665 81.669,57.165 79.169,57.165
  text "PCB SPECIFICATIONS :" at -9.831,61.415 h3
  text "A.   MATERIAL :" at -9.831,57.415 h3
  text "FR-4" at 28.669,57.415 h3
  text "X  TG-170" at 45.169,57.415 h3
  text "TG-150" at 63.419,57.415 h3
  text "TG-140" at 79.419,57.415 h3
  text "B.   MATERIAL FAMILY :" at -9.831,54.415 h3
  text "N/A" at 28.669,54.415 h3
  text "C.   SOLDERMASK COLOR :" at -9.831,51.415 h3
  text "X   GREEN" at 28.669,51.415 h3
  text "BLUE" at 45.169,51.415 h3
  text "RED" at 63.419,51.415 h3
  text "BLACK" at 79.419,51.415 h3
  text "D.   SILKSCREEN COLOR :" at -9.831,48.415 h3
  text "X  WHITE" at 28.669,48.415 h3
  text "YELLOW" at 45.169,48.415 h3
  text "BLACK" at 63.419,48.415 h3
  text "E.   SURFACE FINISH :" at -9.831,45.415 h3
  text "X  ENIG" at 28.669,45.415 h3
  text "IMMERSION SILVER" at 45.169,45.415 h3
  text "IMMERSION TIN" at 79.419,45.415 h3
  text "HASL" at 28.669,42.415 h3
  text "HASL (PB-FREE)" at 45.169,42.415 h3
  text "GOLDEN FINGER" at 79.419,42.415 h3
  text "F.   IMPEDANCE CONTROL :" at -9.831,39.415 h3
  text "NO" at 28.669,39.415 h3
  text "X  YES  (SEE IMPEDANCE TABLE FOR DETAIL INFORMATION)" at 45.169,39.415 h3
  text "G.   THROUGH VIA :" at -9.831,36.415 h3
  text "PLUG THE VIAS WHICH ARE COVERED WITH SOLDERMASK ONE OR TWO SIDE." at 28.669,36.415 h3
  text "PLUG MATERIAL :" at 28.669,33.415 h3
  text "X  SOLDERMASK" at 54.169,33.415 h3
  text "NON-CONDUCTIVE EPOXY." at 79.419,33.415 h3
  text "H.   STACK-UP :" at -9.831,30.415 h3
  text "SEE LAYER STACK-UP SEQUENCE FOR OVERALL THICKNESS." at 28.669,30.415 h3
  text "mils" at 110.784,-33.982 h2.54
  text "mils" at 122.658,-34.235 h2.54
  text ".Layer_Name" at -1.249,-37.55 h3
  text ".DRL" at 40.446,-37.55 h3
M20-Top Title Box:
  circle w0.254: c76.755,-44.271 r1.3
  region: 76.281,-37.035 60.753,-37.035 60.059,-38.81 58.848,-40.035 57.451,-38.175 57.451,-36.524 58.594,-35.127 60.03,-34.749 76.281,-34.749
  region: 62.277,-45.364 51.521,-45.364 52.515,-42.871 60.372,-42.871 60.821,-42.112 63.03,-44.66
  lines w0.254: 52.515,-42.871 61.307,-42.871 58.241,-39.333 cw(c60.044,-37.389) 60.284,-34.749 77.048,-34.749 76.286,-37.035 ; 55.829,-34.501 cw(c58.255,-35.472) 58.491,-32.869 ; 55.868,-34.469 51.521,-45.364 70.844,-45.364 ccw(c71.093,-42.63) 73.642,-43.649 ; 57.607,-38.404 63.03,-44.66 ; 57.861,-38.404 63.166,-44.525 ; 57.861,-38.15 63.166,-44.271 ; 57.959,-37.035 70.952,-37.035 ; 57.988,-38.023 63.293,-44.144 ; 58.115,-37.896 63.42,-44.017 ; 58.242,-37.769 63.547,-43.89 ; 58.369,-37.642 63.674,-43.763 ; 58.424,-35.689 63.729,-41.81 ; 58.493,-32.87 77.942,-32.87 73.643,-43.647 ; 58.496,-37.515 63.747,-43.573 ; 58.496,-37.261 63.801,-43.382 ; 58.496,-37.007 63.801,-43.128 ; 58.496,-36.118 63.801,-42.239 ; 58.623,-36.88 63.928,-43.001 ; 58.623,-36.499 63.928,-42.62 ; 59.995,-42.885 ccw(c60.1,-42.349) 60.398,-41.892 ; 61.082,-37.021 ccw(c61.056,-37.588) 60.725,-38.051 63.09,-40.779 cw(c61.287,-42.723) 62.019,-45.272 ; 67.363,-45.16 70.252,-36.781 ; 67.585,-45.11 70.455,-36.789 ; 67.712,-45.11 70.582,-36.789 ; 67.966,-45.11 70.836,-36.789 ; 68.22,-45.11 71.09,-36.789 ; 68.474,-45.11 71.344,-36.789 ; 68.728,-45.11 71.598,-36.789 ; 68.982,-45.11 71.852,-36.789 ; 69.236,-45.11 72.106,-36.789 ; 69.49,-45.11 72.36,-36.789 ; 69.699,-45.16 72.588,-36.781 ; 72.588,-37.035 76.281,-37.035 ; 75.612,-37.032 76.374,-34.746 ; 75.778,-37.035 76.54,-34.749 ; 76.032,-37.035 76.794,-34.749
  lines w0.3: -10.249,-44.25 49.751,-44.25 ; -10.249,-39.25 49.751,-39.25 ; -10.249,-34.25 49.751,-34.25 ; 29.751,-49.25 29.751,-34.25 ; 49.751,-49.25 49.751,-29.25 ; 67.363,-45.16 69.699,-45.16 ; -10.248,-49.25 -10.248,-29.25 79.751,-29.25 79.751,-49.25 -10.249,-49.25
  text "Project: '.Board_Name'" at -9.249,-32.466 h3
  text "Layer:" at -9.248,-37.55 h3
  text "Gerber:" at 30.74,-37.55 h3
  text "Variant: '.VariantName'" at -9.249,-42.55 h3
  text "Ref: '.Board_Reference'" at 30.867,-42.55 h3
  text "R" at 76.247,-45.033 h1.52
  text "Date: '.Board_Document_Date'" at -9.249,-47.55 h3
  text "Rev: '.Board_PCB_Revision'" at 30.81,-47.55 h3
M21-Bottom Title Box:
  circle w0.254: c-7.066,-44.271 r1.3
  region: 7.412,-45.364 18.168,-45.364 17.175,-42.871 9.317,-42.871 8.868,-42.112 6.66,-44.66
  region: -6.591,-37.035 8.936,-37.035 9.63,-38.81 10.841,-40.035 12.238,-38.175 12.238,-36.524 11.095,-35.127 9.659,-34.749 -6.591,-34.749
  lines w0.254: -7.105,-34.749 -6.343,-37.035 ; -6.851,-34.749 -6.089,-37.035 ; -6.685,-34.746 -5.923,-37.032 ; -6.597,-37.035 -7.359,-34.749 9.405,-34.749 cw(c9.645,-37.389) 11.449,-39.333 8.383,-42.871 17.175,-42.871 ; -6.591,-37.035 -2.899,-37.035 ; -3.953,-43.649 ccw(c-1.403,-42.63) -1.155,-45.364 18.168,-45.364 13.822,-34.469 ; -3.953,-43.647 -8.253,-32.87 11.197,-32.87 ; -2.899,-36.781 -0.009,-45.16 ; -2.67,-36.789 0.199,-45.11 ; -2.416,-36.789 0.453,-45.11 ; -2.162,-36.789 0.707,-45.11 ; -1.908,-36.789 0.961,-45.11 ; -1.654,-36.789 1.215,-45.11 ; -1.4,-36.789 1.469,-45.11 ; -1.263,-37.035 11.73,-37.035 ; -1.146,-36.789 1.723,-45.11 ; -0.892,-36.789 1.977,-45.11 ; -0.765,-36.789 2.104,-45.11 ; -0.563,-36.781 2.327,-45.16 ; 5.761,-43.001 11.066,-36.88 ; 5.761,-42.62 11.066,-36.499 ; 5.888,-43.382 11.193,-37.261 ; 5.888,-43.128 11.193,-37.007 ; 5.888,-42.239 11.193,-36.118 ; 5.942,-43.573 11.193,-37.515 ; 5.96,-41.81 11.265,-35.689 ; 6.015,-43.763 11.32,-37.642 ; 6.142,-43.89 11.447,-37.769 ; 6.269,-44.017 11.574,-37.896 ; 6.396,-44.144 11.701,-38.023 ; 6.523,-44.525 11.828,-38.404 ; 6.523,-44.271 11.828,-38.15 ; 6.66,-44.66 12.082,-38.404 ; 7.67,-45.272 cw(c8.403,-42.723) 6.599,-40.779 8.964,-38.051 ccw(c8.634,-37.588) 8.608,-37.021 ; 9.292,-41.892 ccw(c9.589,-42.349) 9.694,-42.885 ; 11.198,-32.869 cw(c11.435,-35.472) 13.861,-34.501
  lines w0.3: -0.009,-45.16 2.327,-45.16 ; 19.751,-49.25 19.751,-29.25 ; 19.751,-44.25 79.751,-44.25 ; 19.751,-39.25 79.751,-39.25 ; 19.751,-34.25 79.751,-34.25 ; 39.751,-49.25 39.751,-34.25 ; -10.249,-49.25 79.751,-49.25 79.751,-29.25 -10.249,-29.25 -10.249,-49.25
  text "Project: '.Board_Name'" at 78.557,-32.466 h3
  text "Gerber:" at 38.568,-37.55 h3
  text "Layer:" at 78.557,-37.55 h3
  text "Ref: '.Board_Reference'" at 38.568,-42.55 h3
  text "Variant: '.VariantName'" at 78.557,-42.55 h3
  text "R" at -6.558,-45.033 h1.52
  text "Rev: '.Board_PCB_Revision'" at 38.625,-47.55 h3
  text "Date: '.Board_Document_Date'" at 78.557,-47.55 h3

## Dimensions
-10.761,17.399 to -10.706,-17.607 on M1-Board Shape
-10.736,17.423 to 50.753,17.423 on M1-Board Shape

## Text inside footprints (layer, text, board x,y; h text height)
CN1: Bottom Overlay "1" at 45.416,13.619 h1.5; Bottom Assembly "1" at 45.416,13.619 h1.5
CN2: Bottom Overlay "1" at 45.416,-14.381 h1.5; Bottom Assembly "1" at 45.416,-14.381 h1.5
Designator16: Drill Drawing "+/- 10%" at 167.041,-37.917 h3; Drill Drawing "NA" at 153.041,-37.917 h3; Drill Drawing "50 ohm" at 136.541,-37.917 h3; Drill Drawing "TOL." at 168.541,-31.417 h3; Drill Drawing "IMPEDANCE" at 149.791,-31.417 h3; Drill Drawing "(Differentiel)" at 151.041,-34.167 h2.5; Drill Drawing "(Single ended)" at 133.291,-34.167 h2.5; Drill Drawing "IMPEDANCE" at 132.791,-31.417 h3; Drill Drawing "3.94" at 122.364,-37.814 h3; Drill Drawing "SPACING" at 119.291,-31.417 h3; Drill Drawing "TRACE" at 108.791,-31.417 h3; Drill Drawing "13.8" at 109.791,-37.917 h3; Drill Drawing "TOP" at 88.291,-37.917 h3; Drill Drawing "LAYER" at 92.541,-31.417 h3; Drill Drawing "IMPEDANCE TABLE" at 88.291,-26.417 h3
U2: Top Overlay "K" at 32.156,-8.107 h1.1; Top Assembly "K" at 32.356,-8.007 h1
X3: Top Assembly "1" at 29.316,9.485 h1; Top Assembly "2" at 27.804,9.485 h1; Top Assembly "3" at 27.779,8.522 h1; Top Assembly "4" at 29.304,8.497 h1